# Allegro board A733_PRO3_AXP318_LPDDR5_FBGA315BALL_32X1_V2_0.brd (continued)
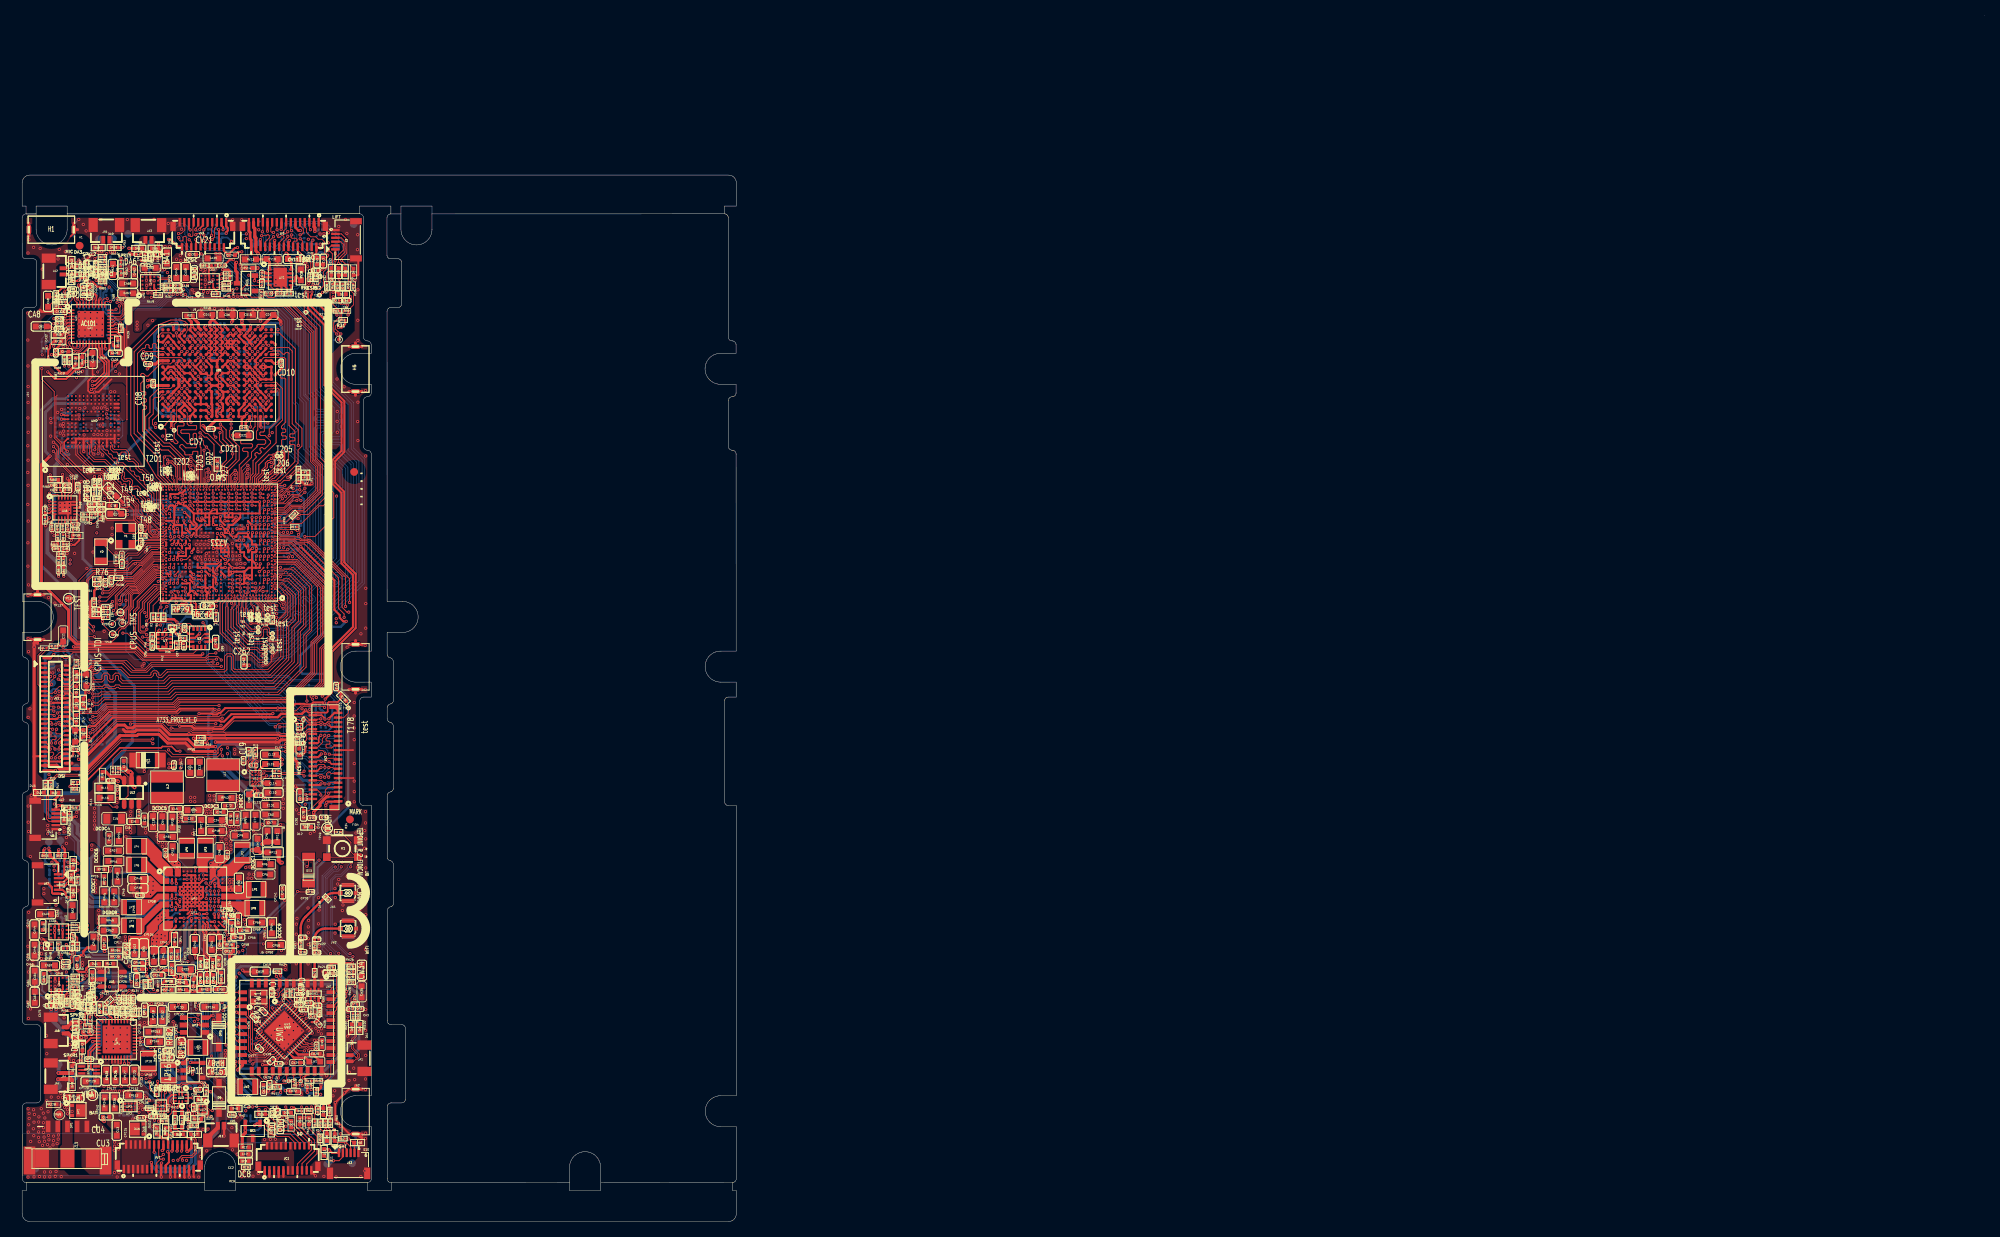
[diagram p0: board, top side]
## Routing (per net, layer and track width the routed paths; a pad name or vN(x,y) marks a point on that pad's centre or on a via; arc(x,y) is an arc through that point) (continued)
  TOP w0.406: 1.81,55.22 1.67,55.08 J1.7 ; CU4.2 10.4,13.06 v1(10.56,12.89) ; DU3.1 1.55,55.73 v1(1.55,74.1) 1.55,74.64 H3.1
  TOP w0.508: v1(6.44,24.83) DA11.1 ; v1(26.96,22.5) 27.41,22.5 27.54,22.37 UW2.20 ; v1(14.49,56.01) 14.1,56.4 UL2.2 14.1,57.83 v1(13.99,57.95) 13.9,58.04 13.67,58.04 CL7.1
  L2GND w0.381: 1.15,80.87 H3.2 ; H3.2 1.98,81.35 ; H3.2 2.81,80.87 ; H3.1 2.81,75.07 ; H3.1 1.98,74.59 ; H3.1 1.15,75.07 ; 42.98,68.18 H4.1 ; H4.1 43.81,68.66 ; H4.1 42.16,68.66 ; 42.14,107.08 H5.2 ; H5.2 42.97,106.6 ; H5.2 43.8,107.08 ; H2.1 43,17.56 ; H2.1 43.83,17.08 ; H2.1 42.17,17.08 ; 6.67,127.14 H1.1 ; H1.1 6.67,128.8 ; H1.1 7.14,127.97 ; 42.17,11.28 H2.2 ; H2.2 43.83,11.28 ; H2.2 43,10.8 ; 0.87,127.14 H1.2 0.87,128.8 ; H5.1 42.97,113.36 ; H5.1 42.14,112.88 ; H5.1 43.8,112.88 ; H4.2 43.81,74.46 ; H4.2 42.98,74.94 ; H4.2 42.16,74.46
  L3 w0.203: 41.97,69.13 42.44,68.66 H4.1
  L3 w0.254: H3.1 2.73,75.07 3.14,75.48 ; 6.21,126.87 6.67,127.33 H1.1
  L3 w0.381: H4.2 43.81,74.46 ; H4.2 42.16,74.46 ; H4.2 42.98,74.94 ; 42.17,17.08 H2.1 ; H2.1 43.83,17.08 ; H2.1 43,17.56 ; H5.2 43.8,107.08 ; H5.2 42.97,106.6 ; H5.2 42.14,107.08 ; 6.67,128.8 H1.1 7.14,127.97 ; H5.1 42.97,113.36 ; H5.1 43.8,112.88 ; H5.1 42.14,112.88 ; 1.15,75.07 H3.1 1.98,74.59 ; 0.87,128.8 H1.2 0.87,127.14 ; H3.2 1.98,81.35 ; H3.2 1.15,80.87 ; H3.2 2.81,80.87 ; 43,10.8 H2.2 ; H2.2 43.83,11.28 ; H2.2 42.17,11.28 ; 43.81,68.66 H4.1 42.98,68.18
  L4 w0.102: 17.53,86.19 17.99,86.65 19.89,86.65 v1(20.22,86.32) ; v1(19.88,87.35) 19.54,87.01 17.25,87.01 16.97,86.73
  L4 w0.114: 10.87,78.47 10.87,78.2 11.25,77.83 11.25,77.59 ; 5.68,103.31 5.68,102.61 5.82,102.47 5.82,99.9 5.45,99.53 5.45,98.05 v1(5.82,97.68) ; 9.97,74.79 9.84,74.92 9.84,75.52 9.53,75.82 8.79,75.82 8.75,75.78 ; 10.61,75.97 10.61,75.46 12.15,73.92 12.15,59.3 10.27,57.42 10.27,50.21 9.46,49.4 8.87,49.4 8.34,48.88 8.34,46.66 8.18,46.5 8.18,41.86 7.91,41.6 ; v1(7.43,104.9) 7.43,104.77 6.97,104.31 6.97,103.2 7.99,102.18 7.99,101.75 7.99,101.75 v1(7.99,101.49) ; 9.62,77.62 10.19,77.05 10.2,77.05 10.21,77.04 10.59,77.04 10.72,77.17 10.72,77.56 10.38,77.9
  L4 w0.381: v1(3.41,80.5) 3.04,80.87 H3.2 ; 42.98,68.18 H4.1 ; H4.1 42.16,68.66 ; H4.1 43.81,68.66 ; 42.17,11.28 H2.2 ; H2.2 43.83,11.28 ; H2.2 43,10.8 ; 6.67,127.14 H1.1 ; H1.1 6.67,128.8 ; H1.1 7.14,127.97 ; H5.1 43.8,112.88 ; H5.1 42.97,113.36 ; H5.1 42.14,112.88 ; 0.87,128.8 H1.2 0.87,127.14 ; 42.14,107.08 H5.2 ; H5.2 43.8,107.08 ; H5.2 42.97,106.6 ; H3.2 1.98,81.35 ; H3.2 1.15,80.87 ; 1.15,75.07 H3.1 ; H3.1 1.98,74.59 ; H3.1 2.67,75.07 3.14,75.54 ; 42.17,17.08 H2.1 ; H2.1 43.83,17.08 ; H2.1 43,17.56 ; H4.2 42.98,74.94 ; H4.2 43.81,74.46 ; H4.2 42.16,74.46
  L5GND w0.381: 6.67,127.14 H1.1 ; H1.1 7.14,127.97 ; H1.1 6.67,128.8 ; 1.15,75.07 H3.1 ; H3.1 2.81,75.07 ; H3.1 1.98,74.59 ; H5.2 43.8,107.08 ; H5.2 42.14,107.08 ; H5.2 42.97,106.6 ; 42.17,11.28 H2.2 ; H2.2 43.83,11.28 ; H2.2 43,10.8 ; H3.2 2.81,80.87 ; H3.2 1.15,80.87 ; H3.2 1.98,81.35 ; 42.98,68.18 H4.1 ; H4.1 43.81,68.66 ; H4.1 42.16,68.66 ; H2.1 43.83,17.08 ; H2.1 42.17,17.08 ; H2.1 43,17.56 ; H5.1 42.97,113.36 ; H5.1 43.8,112.88 ; H5.1 42.14,112.88 ; H4.2 43.81,74.46 ; H4.2 42.16,74.46 ; H4.2 42.98,74.94 ; 0.87,127.14 H1.2 0.87,128.8
  BOTTOM w0.114: v1(30.98,117.65) 31.11,117.78 32.25,117.78 33.85,116.18 33.85,102.53 33.62,102.3 v1(33.62,99.33)
  BOTTOM w0.127: C108.2 23.19,82.1 C6.2 ; CD35.2 22.07,93.98 22.13,93.92
  BOTTOM w0.203: v1(7.3,129.28) 6.67,128.65 H1.1 ; v1(38.44,126.1) 38.44,126.1 CV4.2 ; CV7.2 39.1,127.98 v1(39.48,127.6) ; v1(26.98,126.47) 26.5,126.95 CV25.2 ; v1(7.81,60.28) 8.27,60.28 9.01,61.02 RL18.2 RL42.2 RL38.1 ; CV6.2 39.36,126.37 v1(39.45,126.28) ; RP254.2 21.78,28.27 22.12,28.61 22.5,28.61 22.74,28.37 22.74,27.83 v1(22.74,27.83)
  BOTTOM w0.254: C76.2 26.72,83.87 C18.2 27.02,83.84 v1(27.14,83.71) 27.25,83.83 C14.2 28.47,83.83 C19.2 28.55,83.84 v1(29.12,83.26) ; v1(26.59,85.85) 26.59,85.63 C67.2 ; C260.2 31.05,88.39 31.34,88.68 ; v1(21.51,76.58) 21.72,76.78 R37.2 22.85,76.05 22.88,76.02 v1(22.88,75.83) ; C8.2 22.5,83.27 v1(22.15,82.93) 22.28,82.8 22.32,82.8 22.46,82.66 C6.2 ; v1(3.7,63.02) 3.69,63.03 3.66,63.03 3.41,63.29 3.41,64.39 3.42,64.41 CL17.2 ; C39.2 19.61,88.91 RM3.1 19.53,89.25 19.54,89.26 19.54,89.35 v1(19.5,89.39) ; TP42.1 33.71,91.39 v1(33.16,90.84) ; C257.2 13.52,85.06 v1(13.5,85.04) 13.58,84.96 v1(13.58,84.16) 13.51,84.09 C259.1 C258.2 ; v1(19.2,81.23) 19.78,81.8 20.1,81.8 20.55,82.24 ; C9.2 30.32,90.15 30.25,90.08 30.25,89.99 v1(30.15,89.89) ; v1(22.67,108.25) 22.65,108.24 CD66.2 ; CV25.2 25.63,126.78 CV22.2 ; 31.34,88.68 31.66,88.37 C17.2 ; 31.34,88.68 31.34,88.75 v1(31.24,88.85) ; C16.2 29.12,88.91 ; 29.12,88.91 v1(29.16,88.87) 29.13,88.84 C15.2 29.13,88.04 C13.2 ; 29.12,88.91 29.1,88.93 C75.2 C58.2 ; C74.2 26.49,88.13 v1(26.11,87.75) 26.04,87.83 v1(25.55,87.83) ; C41.2 21.84,89.78 22.31,89.78 C43.2 22.93,89.81 C44.2 ; C132.2 30.27,86.77 v1(30.2,86.84) ; v1(25.22,98.36) 25.68,97.9 CD57.2 25.68,97.15 CD36.2 25.68,95.86 CD22.2 25.55,95.3 v1(25.49,95.24) ; v1(28.98,109.08) 28.98,109.08 CD43.2 ; 28.45,90.63 28.6,90.79 C133.2 29.12,91.49 C49.2 29.16,92.61 29.51,92.96 v1(29.63,92.96) ; 28.45,90.63 CD23.2 ; 28.45,90.63 CD25.2 ; C129.2 28.78,87.29 C111.2 27.99,86.79 v1(27.91,86.86) ; CV3.2 35.37,56.32 v1(35.24,56.18) ; CD34.2 25.49,89.89 v1(25.6,89.79) ; RL47.1 4.48,73.55 v1(4.08,73.15) ; 23.47,82.07 23.47,82.06 v1(23.18,81.76) ; CD37.2 19.51,104.45 20.48,103.47 v1(20.59,103.47) ; C29.2 25.56,84.56 C30.2 C31.2 ; C32.2 24.21,84.56 C31.2 ; C32.2 23.6,84.54 C109.2 ; C32.2 23.55,84.56 23.52,84.54 23.33,84.35 v1(23.13,84.35) ; C47.1 16.14,86.66 v1(15.88,86.39) ; R11.2 19.33,82.76 18.83,82.76 18.55,82.47 R10.2 ; v1(24.23,84.05) 24.21,84.06 C31.2 ; v1(26.62,91.4) 26.62,91.23 CD27.2 ; C128.2 24.15,81.76 v1(24.12,81.74) ; v1(25.63,92.95) 25.85,92.95 25.99,92.82 ; 22.7,91.49 22.7,91.48 ; v1(22.62,92.95) 22.52,93.06 22.46,93.06 22.13,93.38 22.13,93.92 ; 26.18,92.62 26.52,92.95 v1(26.63,92.95) ; v1(39.04,64.82) 39.03,64.83 39.03,65.6 38.92,65.71 38.92,65.72 38.78,65.86 38.77,65.86 38.65,65.98 RV21.2 38.36,66.16 CV8.1 ; v1(23.62,89.89) 23.71,89.8 C53.2 C52.2 ; 16.56,89.72 C40.2
  BOTTOM w0.305: CD42.2 32.09,115.42 CD40.2 32.73,115.42 CD38.2 32.73,115.31 v1(32.98,115.07) 32.96,115.06 CD65.2 ; C46.2 25.5,87.32 v1(25.55,87.27) 25.68,87.15 25.68,86.71 25.96,86.43 C28.2 26.19,85.85 v1(26.59,85.85) 26.57,85.87 C65.2 26.57,86.45 v1(26.16,86.86) 26.53,87.23 26.53,87.26 26.54,87.28 26.54,87.29 v1(26.54,87.3) 26.54,87.31 26.53,87.33 v1(26.11,87.75) ; C129.2 29.18,87.79 C13.2 C12.2 ; CD54.2 27.58,112.25 v1(27.58,112.24) ; CL16.2 4.79,62.61 DL8.1 4.28,62.79 4.05,63.02 v1(3.7,63.02) 3.67,62.98 DL9.1 ; C36.2 22.64,84.47 C55.2 23.03,84.46 v1(23.13,84.35) ; v1(26.54,89.46) 26.39,89.3 C83.2 ; v1(26.54,89.46) 26.51,89.49 26.51,89.94 26.54,89.91 C79.2 27.76,89.91 C82.2 ; v1(26.54,89.46) 26.54,88.95 v1(26.57,88.92) ; RP247.2 13.49,21.27 13.53,21.32 RP248.2 14.08,21.76 v1(13.54,22.3) ; CU1.1 14.06,30.95 v1(14.06,30.95) ; CD62.2 17.57,111.91 v1(17.63,111.85) ; v1(25.55,87.83) 25.45,87.93 C35.2 ; C68.2 27.28,88.1 v1(27.28,88.29) ; CP21.1 24.12,37.85 24.06,37.78 v1(24.06,37.75) ; v1(25.49,105.05) 25.38,104.94 CD46.2 ; C97.2 19.15,77.9 ; 19.15,77.9 19.15,79.51 v1(18.8,79.87) ; 19.15,77.9 18.86,78.2 R9.2 18.61,78.18 R7.2 ; v1(21.98,110.64) 21.47,111.15 CD18.2 ; CD58.2 30.36,108.24 v1(30.38,108.26) ; v1(24.77,115.45) 24.74,115.49 CD48.2 ; v1(20.22,86.32) 20.21,86.31 C48.2 ; 22.7,91.48 22.7,91.83 v1(22.63,91.91) ; RC8.2 28.9,12.94 v1(28.37,13.47) ; RP257.2 19.89,24.07 v1(19.89,23.83) ; CD14.2 26.05,113.98 v1(26.19,113.85) ; R11.2 19.42,82.92 v1(19,83.33) 19,83.34 R13.1 ; v1(19.88,109.04) 19.85,109.02 CD45.2 ; CD68.2 27.59,110.65 v1(27.59,110.64) ; v1(19.87,110.65) 19.99,110.77 CD44.2 ; 23.6,89.91 v1(23.62,89.89) 23.02,89.89 C44.2 ; CD15.2 24.78,112.23 v1(24.79,112.25) ; CD51.2 20.47,105.73 v1(20.59,105.85) ; v1(30.2,86.84) 30.2,86.57 29.99,86.36 C66.2 C60.2 C59.2 30.01,84.85 v1(30.2,84.85) ; CD20.2 18.33,104.71 CD4.2 CD37.2 ; v1(24.65,28.55) 24.65,28.2 24.64,28.2 RP256.2 ; v1(25.48,109.04) 25.51,109.02 CD47.2 ; v1(31.67,103.02) CD3.2 31.16,103.02 CD5.2 ; v1(38.76,28.41) 39.1,28.76 RW32.1 ; v1(4.05,112.93) 4.14,113.02 CA33.2 ; CD60.2 33,111.91 v1(32.97,111.89) ; v1(25.49,106.65) 25.38,106.76 CD67.2 ; CD53.2 21.92,113.91 v1(21.98,113.86) ; CD61.2 32.95,106.93 v1(32.72,107.16) ; 25.99,92.82 26.18,92.62 CD26.2 ; v1(9.17,124.71) 9.17,124.97 9.23,125.03 CA77.2 ; CD12.2 23.97,108.89 v1(24.08,109) ; RA33.2 2.96,47.74 2.93,47.76 v1(2.93,48.09) ; v1(20.57,114.65) 20.52,114.71 CD41.2 ; v1(32.72,120.86) 32.63,120.96 RV20.1 31.54,121 CV14.2 ; v1(22.02,79.24) 21.79,79.01 C93.2 C92.2 ; v1(24.12,81.23) 23.79,80.89 R68.1 ; CD63.2 19.18,106.67 v1(19.2,106.65) ; R66.1 22.48,80.92 v1(22.17,81.23) 21.67,81.73 21.67,81.87 ; v1(20.59,103.47) 20.63,103.52 CD64.2 ; CD2.2 20.31,116.3 20.52,116.09 20.52,115.78 CD39.2 20.84,115.78 v1(20.94,115.68) ; v1(29.68,113.06) 29.58,113.17 CD50.2 ; v1(29.03,103.31) 29.22,103.49 CD17.2 ; v1(29.68,105.06) 29.71,105.04 CD52.2 ; v1(30.73,116.17) 30.73,116.57 CD59.2 ; CD69.2 30.37,110.66 v1(30.38,110.65) ; CD19.2 v1(28.97,114.65) ; v1(5.91,46.35) 5.87,46.35 5.71,46.52 RA36.2 ; 3.77,42.93 3.51,43.18 RA35.1 ; 3.84,111.88 v1(3.8,111.84) ; CD13.2 26.05,115.57 v1(26.18,115.44) ; v1(4.82,65.17) 5.58,65.17 5.82,64.93 RL22.2 5.82,64.48 6.07,64.23 RL23.2 ; v1(27.14,83.71) 27.09,83.67 C116.2 ; CA78.2 12.8,125.56 v1(12.9,125.66) ; CV13.2 30.42,126.39 v1(30.72,126.68) ; 15.72,90.64 15.4,90.96 C50.2 15.39,91.19 C38.2 14.75,91.2 C5.2
  BOTTOM w0.381: H5.1 43.8,112.88 ; H5.1 42.14,112.88 ; H5.1 42.97,113.36 ; H4.2 43.81,74.46 ; H4.2 42.98,74.94 ; H4.2 42.16,74.46 ; H2.2 43.83,11.28 ; H2.2 43,10.8 ; H2.2 42.17,11.28 ; H2.1 43,17.56 ; H2.1 42.17,17.08 ; H2.1 43.83,17.08 ; 42.98,68.18 H4.1 ; H4.1 42.16,68.66 ; H4.1 43.81,68.66 ; 1.15,80.87 H3.2 ; H3.2 2.81,80.87 ; H3.2 1.98,81.35 ; H3.1 2.81,75.07 ; H3.1 1.98,74.59 ; H3.1 1.15,75.07 ; 6.67,127.14 H1.1 7.14,127.97 ; 0.87,128.8 H1.2 0.87,127.14 ; H5.2 43.8,107.08 ; H5.2 42.14,107.08 ; H5.2 42.97,106.6
  vias: v1(0.76,124.95) v1(0.73,117.21) v1(0.73,113.73) v1(0.76,110.39) v1(0.77,107.73) v1(0.77,105.68) v1(0.74,103.68) v1(0.78,101.82) v1(0.73,100.09) v1(0.77,98.22) v1(0.73,96.65) v1(0.76,94.99) v1(0.73,92.52) v1(0.79,90.37) v1(0.74,87.57) v1(0.74,84.56) v1(0.76,80.76) v1(0.77,75.21) v1(0.77,65.05) v1(0.78,53.61) v1(0.78,51.52) v1(0.78,38.02) v1(0.74,35.51) v1(0.76,34.19) v1(0.78,28.29) v1(0.77,14.54) v1(0.78,11.54) v1(0.76,5.73) v1(0.87,126.68) v1(0.82,82.13) v1(0.83,73.52) v1(0.82,50.32) v1(0.84,39.9) v1(0.81,32.19) v1(0.81,26.2) v1(0.85,12.48) v1(0.89,13.95) v1(0.9,13.3) v1(1.01,66.15) v1(1.06,47.09) v1(1.08,27.42) v1(1.18,54.99) v1(1.1,10.33) v1(1.48,125.69) v1(1.39,33.67) v1(1.4,33.13) v1(1.47,14.42) v1(1.44,11.96) v1(1.58,13.81) v1(1.53,12.81) v1(1.5,11.07) v1(1.53,5.76) v1(2.16,13.5) v1(2.13,12.84) v1(2.15,12.2) v1(2.12,11.56) v1(2.12,10.86) v1(2.2,10.3) v1(2.23,5.8) v1(2.32,125.55) v1(2.46,14.55) v1(2.6,122.87) v1(2.62,9.82) v1(2.73,13.98) v1(2.74,12.74) v1(2.76,12.1) v1(2.74,11.5) v1(2.83,10.89) v1(2.87,10.35) v1(2.88,5.75) v1(2.93,13.36) v1(2.89,6.38) v1(3.01,89.78) v1(3.16,23.96) v1(3.18,21.65) v1(3.18,15.58) v1(3.27,9.91) v1(3.3,51.09) v1(3.3,50.55) v1(3.33,14.16) v1(3.4,11.11) v1(3.45,10.54) v1(3.5,93.43) v1(3.58,32.4) v1(3.57,5.76) v1(3.68,101.33) v1(3.6,9.5) v1(3.65,6.39) v1(3.69,103.59) v1(3.72,103.07) v1(3.76,16.05) v1(3.98,9.89) v1(4.04,100.55) v1(4.05,11.02) v1(4.04,10.43) v1(4.16,53.87) v1(4.22,79.79) v1(4.26,5.83) v1(4.37,6.46) v1(4.59,104.38) v1(4.51,10.05) v1(4.63,124.19) v1(4.66,16.03) v1(4.68,11.16) v1(4.64,10.63) v1(4.78,125.42) v1(4.89,92.65) v1(4.89,92.14) v1(4.89,91.64) v1(4.99,16.55) v1(5.04,5.78) v1(5.09,104.78) v1(5.2,16.01) v1(5.4,26.29) v1(5.47,14.72) v1(5.57,125.12) v1(5.51,16.74) v1(5.71,49.54) v1(5.71,48.78) v1(5.86,14.96) v1(5.85,14.41) v1(5.85,13.89) v1(5.93,123.95) v1(5.89,17.15) v1(6.08,92.65) v1(6.08,92.14) v1(6.08,91.63) v1(6.13,22.82) v1(6.41,16.74) v1(6.44,14.2) v1(6.76,86.21) v1(7.04,52.81) v1(7.18,42.75) v1(7.34,117.31) v1(7.34,116.54) v1(7.34,115.78) v1(7.34,115.02) v1(7.34,114.26) v1(7.77,109.71) v1(7.71,28.97) v1(7.88,128.64) v1(8.08,104.99) v1(8.1,117.31) v1(8.1,116.54) v1(8.1,115.78) v1(8.1,115.02) v1(8.1,114.26) v1(8.25,127.81) v1(8.36,92.26) v1(8.35,84.25) v1(8.61,68.26) v1(8.63,67.25) v1(8.78,114.34) v1(8.82,117.27) v1(8.83,116.54) v1(8.81,115.77) v1(8.8,115.03) v1(9.14,86.37) v1(9.26,104.96) v1(9.25,101.53) v1(9.33,53.31) v1(9.33,52.72) v1(9.33,52.21) v1(9.33,51.7) v1(9.34,51.15) v1(9.34,50.64) v1(9.68,117.27) v1(9.64,116.56) v1(9.62,115.78) v1(9.61,115.04) v1(9.6,114.36) v1(9.73,104.97) v1(9.76,101.52) v1(9.82,36.89) v1(9.83,36.43) v1(10.13,129.27) v1(10.23,104.97) v1(10.26,101.52) v1(10.35,116.55) v1(10.33,115.77) v1(10.32,115.03) v1(10.31,114.35) v1(10.59,91.41) v1(10.57,76.14) v1(10.55,17.46) v1(10.67,105.11) v1(10.87,24.97) v1(10.87,24.08) v1(10.87,23.19) v1(10.87,22.3) v1(10.97,104.77) v1(10.94,102.04) v1(10.92,101.5) v1(11.16,17.46) v1(11.46,94.14) v1(11.56,87.58) v1(11.61,89.46) v1(11.59,88.62) v1(11.76,24.97) v1(11.76,24.08) v1(11.76,23.19) v1(11.76,22.3) v1(11.88,9.18) v1(11.99,17.46) v1(11.92,10.25) v1(11.91,9.71) v1(11.89,6.32) v1(12.12,86.27) v1(12.1,84.63) v1(12.27,54.59) v1(12.21,54.07) v1(12.25,5.74) v1(12.44,9.93) v1(12.43,9.35) v1(12.48,6.34) v1(12.54,109.35) v1(12.62,27.89) v1(12.65,24.97) v1(12.65,24.08) v1(12.65,23.19) v1(12.65,22.3) v1(12.8,17.46) v1(13.56,129.27) v1(13.54,24.97) v1(13.54,24.08) v1(13.54,23.19) v1(13.78,123.15) v1(13.74,17.49) v1(13.8,122.7) v1(14.16,43.61) v1(14.32,42.38) v1(14.46,27.86) v1(14.58,43.61) v1(14.54,42) v1(14.66,15.53) v1(14.83,42.48) v1(14.97,86.86) v1(15.03,15.2) v1(15.03,14.66) v1(15.44,14.92) v1(15.53,14.46) v1(15.59,76.72) v1(15.74,94.03) v1(15.72,16.26) v1(15.82,78.56) v1(15.93,122.39) v1(15.92,50.67) v1(15.93,50.15) v1(16.02,121.45) v1(16.05,120.79) v1(16.02,15.97) v1(16,13.04) v1(16.16,33.78) v1(16.22,115.64) v1(16.27,28.1) v1(16.54,120.91) v1(16.6,22.46) v1(16.69,28.1) v1(16.82,116.24) v1(17.01,129.3) v1(17.01,121.38) v1(17.06,22.46) v1(17.21,102.98) v1(17.41,50.2) v1(17.39,49.69) v1(17.57,48.93) v1(17.56,32.42) v1(17.52,30.51) v1(17.53,28.08) v1(17.95,28.09) v1(18.08,48.41) v1(18.13,101.34) v1(18.09,48.92) v1(18.59,48.7) v1(18.57,48.2) v1(18.73,122.44) v1(18.83,128.78) v1(19.48,7.87) v1(19.91,124.15) v1(20.07,19.5) v1(20.14,52.65) v1(20.12,52.15) v1(20.14,51.62) v1(20.38,124.65) v1(20.3,21.1) v1(20.45,123.99) v1(20.39,59.55) v1(20.41,59.11) v1(20.57,128.03) v1(20.64,52.65) v1(20.63,52.15) v1(20.64,51.62) v1(20.73,21.1) v1(21.03,123.99) v1(21.19,7.89) v1(21.31,120.82) v1(21.44,19.48) v1(21.54,19.91) v1(22.34,34) v1(22.77,5.74) v1(23.03,122.84) v1(23,8.39) v1(23.33,11.87) v1(23.45,122.43) v1(23.4,119.99) v1(23.61,122.83) v1(23.62,121.49) v1(23.61,120.91) v1(23.79,9.12) v1(23.96,11.91) v1(24.12,121.02) v1(24.19,117.75) v1(24.37,13.56) v1(24.61,121.5) v1(24.8,117.77) v1(25.03,18.63) v1(25.14,35.1) v1(25.31,40.68) v1(25.67,35.09) v1(25.74,51.18) v1(25.75,49.62) v1(25.72,49.05) v1(25.73,15.78) v1(26.25,51.18) v1(26.28,49.33) v1(26.35,50.2) v1(26.35,48.75) v1(26.39,48.18) v1(26.63,49.74) v1(26.75,50.96) v1(26.83,50.44) v1(26.94,102.89) v1(26.89,49.06) v1(26.92,48.54) v1(26.92,48) v1(27.05,12.11) v1(27.15,129.25) v1(27.12,9.24) v1(27.26,50.96) v1(27.31,40.09) v1(27.33,24.52) v1(27.41,60.9) v1(27.41,60.34) v1(27.49,50.47) v1(27.71,13.47) v1(27.72,8.69) v1(27.86,50.88) v1(28.32,129.25) v1(28.32,5.79) v1(28.56,6.41) v1(28.66,38.95) v1(29.13,44.3) v1(29.26,44.83) v1(29.51,78.83) v1(29.56,27.61) v1(29.59,44.27) v1(29.77,5.84) v1(29.83,50.41) v1(29.84,44.78) v1(30.16,49.99) v1(30.5,127.95) v1(30.53,78.82) v1(30.96,74.04) v1(30.93,72.99) v1(30.98,51.23) v1(31.26,10.57) v1(31.44,27.75) v1(32,10.6) v1(32.11,24.04) v1(32.24,101.78) v1(32.58,24.64) v1(32.68,23.39) v1(32.65,10.62) v1(32.71,121.51) v1(33.22,25.27) v1(33.24,23.99) v1(33.21,22.86) v1(33.37,36.51) v1(33.66,54.51) v1(33.66,53.92) v1(33.66,53.31) v1(33.76,23.46) v1(33.88,24.62) v1(33.79,22.38) v1(34.34,26.33) v1(34.32,22.9) v1(34.45,25.16) v1(34.4,24.09) v1(34.85,54.99) v1(34.84,54.56) v1(34.85,54.13) v1(34.97,24.62) v1(34.97,23.46) v1(35,25.68) v1(35.36,53.11) v1(35.35,38.37) v1(35.34,37.07) v1(35.34,35.8) v1(35.34,34.14) v1(35.34,33.25) v1(35.44,39.12) v1(35.39,29.92) v1(35.52,25.14) v1(35.69,52.62) v1(36.06,24.6) v1(36.56,123.66) v1(36.53,28.84) v1(36.65,29.84) v1(36.8,123.19) v1(36.86,40.45) v1(36.89,38.01) v1(36.89,37.25) v1(36.89,36.49) v1(36.89,35.72) v1(36.89,34.2) v1(36.87,33.23) v1(36.93,38.85) v1(37.15,50.06) v1(37.66,50.34) v1(37.72,28.36) v1(37.75,27.03) v1(37.87,24.94) v1(38.2,41.78) v1(38.29,40.18) v1(38.21,38.4) v1(38.29,35.5) v1(38.29,34.15) v1(38.19,24.54) v1(38.5,57.31) v1(38.58,24.87) v1(38.57,24.21) v1(38.76,32.26) v1(38.87,21.45) v1(38.91,5.83) v1(40.08,16.22) v1(40.32,42.95) v1(40.37,41.79) v1(40.36,38.36) v1(40.34,37.21) v1(40.29,16.86) v1(40.47,5.75) v1(40.6,108.7) v1(40.62,104.52) v1(40.61,103.24) v1(40.63,101.83) v1(40.68,43.54) v1(40.83,128.38) v1(40.82,44.13) v1(40.94,27.29) v1(40.99,17.61) v1(41.04,12.29) v1(41.09,19) v1(41.09,18.31) v1(41.28,40.12) v1(41.36,40.84) v1(41.36,27.81) v1(41.51,107.69) v1(41.5,27.29) v1(41.56,16.6) v1(41.69,129.28) v1(41.87,127.48) v1(41.89,74.1) v1(41.9,44.53) v1(41.98,28.03) v1(42.18,19.26) v1(42.15,18.21) v1(42.74,19.79) v1(42.81,66.96) v1(42.81,65.23) v1(42.81,63.67) v1(42.81,62.16) v1(42.81,59.08) v1(42.81,56.82) v1(42.81,55.46) v1(42.81,54.15) v1(42.87,18.3) v1(43.04,50.12) v1(43.03,48.21) v1(43.26,127.32) v1(43.23,125.39) v1(43.29,120.22) v1(43.28,116.28) v1(43.29,113.69) v1(43.29,105.71) v1(43.26,103.21) v1(43.29,100.76) v1(43.23,45.68) v1(43.33,44.79) v1(43.42,43.75) v1(43.54,40.21) v1(43.68,75.83) v1(43.67,5.79) v1(44.17,50.43) v1(44.16,48.16) v1(44.18,6.53) v1(44.28,107.21) v1(44.22,74.34) v1(44.24,68.64) v1(44.27,52.88) v1(44.27,51.42) v1(44.26,47.09) v1(44.27,35.1) v1(44.28,24.68) v1(44.27,18.39) v1(44.27,17.02) v1(44.27,10.69) v1(44.28,9.27) v1(44.29,98.77) v1(44.3,81.7) v1(44.3,79.72) v1(44.29,76.55) v1(44.29,49.36) v1(44.29,45.62) v1(44.29,43.61) v1(44.3,41.64) v1(44.3,39.58) v1(44.32,36.73) v1(44.29,27.37) v1(44.29,21.44) v1(44.29,11.39)
